# Altium PCB STM32MP25XXAK_2_DDR3L.PcbDoc (part 4 of 6) (continued)
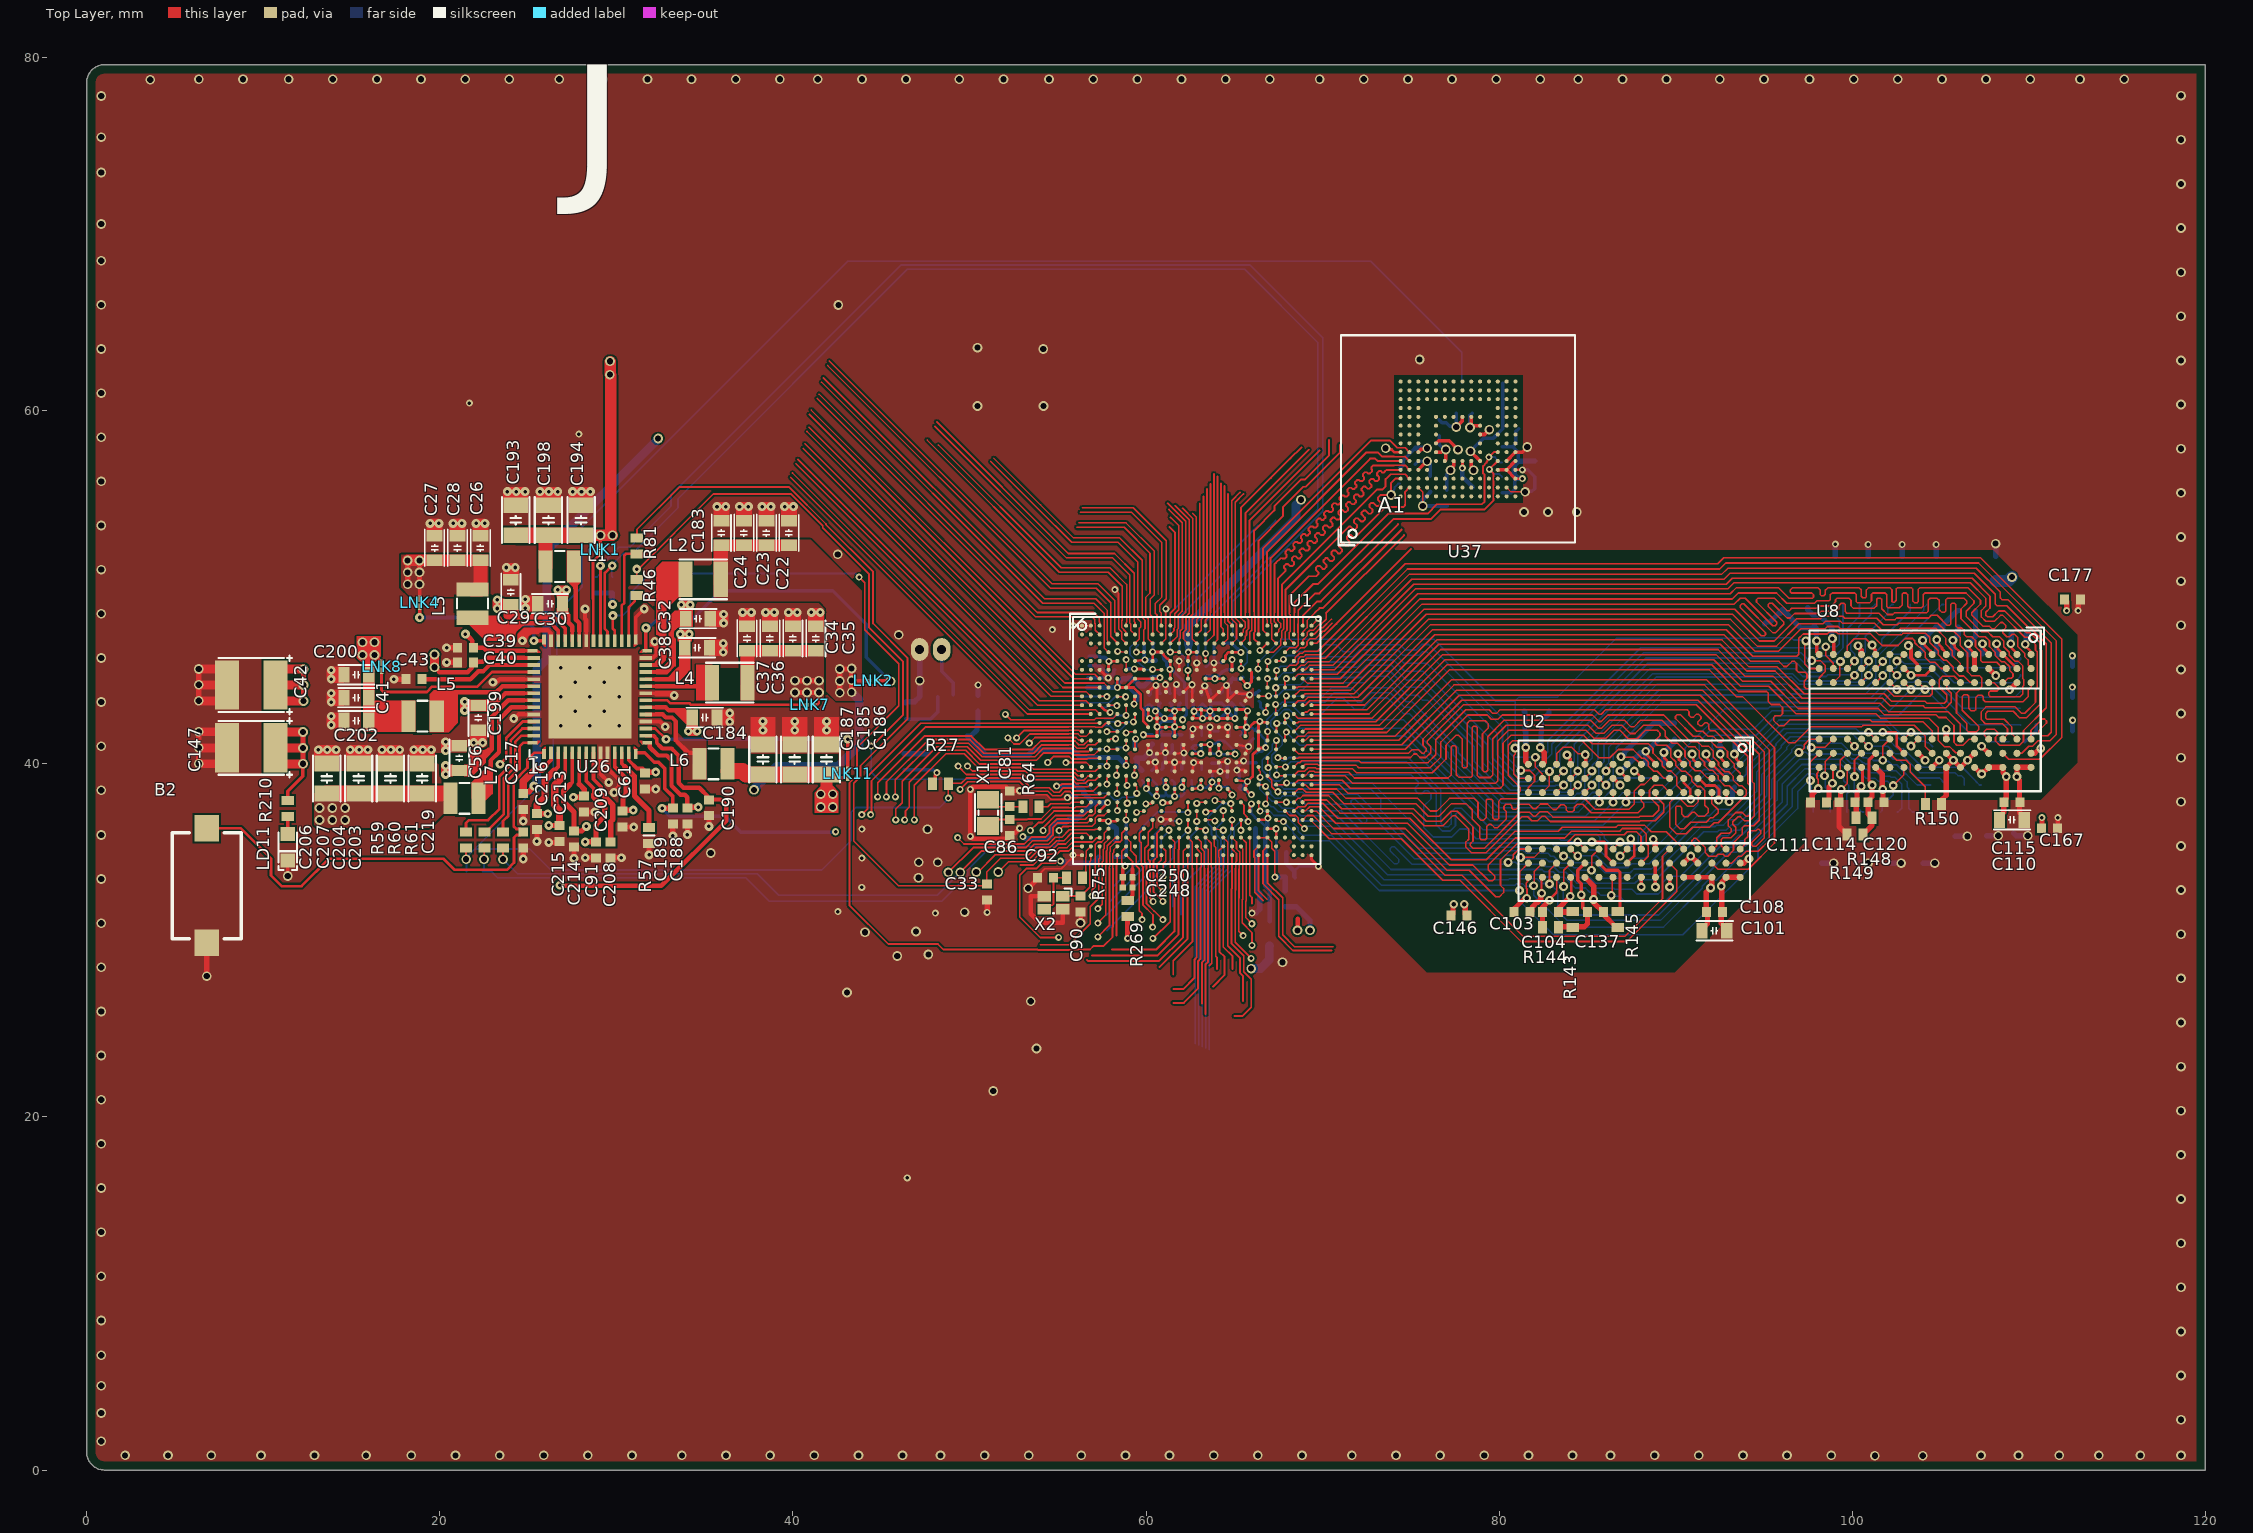
[diagram p0: Top Layer view]
## Nets (pads, with @x,y where several pads share a name; then routed paths per layer and width w, separated by ;. In a path a pad name is that pad's centre, name@x,y a point inside that pad or via, vN(x,y) a via of type N, cw(c..) or ccw(c..) an arc to the next point about the centre after c; other vN are vias at no path point) (continued)
  other v1: 101.286,0.805 104,0.805 2.175,0.83 4.6,0.83 7.05,0.83 9.875,0.83 12.9,0.83 15.825,0.83 18.386,0.83 20.886,0.83 23.386,0.83 25.886,0.83 28.386,0.83 30.886,0.83 33.711,0.83 36.211,0.83 38.711,0.83 41.211,0.83 43.711,0.83 46.211,0.83 48.361,0.83 50.861,0.83 53.361,0.83 56.336,0.83 58.836,0.83 61.336,0.83 63.836,0.83 66.336,0.83 68.836,0.83 71.661,0.83 74.161,0.83 76.661,0.83 79.161,0.83 81.661,0.83 84.161,0.83 86.311,0.83 88.811,0.83 91.311,0.83 93.811,0.83 96.311,0.83 98.811,0.83 107.3,0.83 109.425,0.83 111.725,0.83 113.975,0.83 116.325,0.83 118.625,0.83 0.825,1.625 118.625,2.85 0.825,3.225 0.825,4.775 118.625,5.35 0.825,6.5 118.625,7.85 0.825,8.475 118.625,10.35 0.825,10.975 118.625,12.85 0.825,13.475 118.625,15.35 0.825,15.975 118.625,17.85 0.825,18.475 118.625,20.35 0.825,20.975 51.35,21.475 118.625,22.85 0.825,23.475 53.8,23.875 118.625,25.35 0.825,25.975 53.467,26.55 43.063,27.05 118.625,27.85 0.825,28.475 67.73,28.759 45.909,29.117 47.672,29.202 118.625,30.35 44.087,30.462 46.975,30.5 0.825,30.975 49.725,31.6 118.625,32.85 0.825,33.475 47.112,33.546 11.387,33.648 47.125,34.425 48.2,34.42 35.35,34.945 118.625,35.35 0.825,35.975 47.625,36.3 118.625,37.85 0.825,38.5 6.348,40.014 118.625,40.35 6.348,40.914 0.825,41 6.348,41.814 118.625,42.85 0.825,43.5 6.348,43.576 6.348,44.476 47.189,44.713 118.625,45.35 6.348,45.376 0.825,46 45.995,47.305 118.625,47.85 0.825,48.5 118.625,50.35 0.825,51 42.535,51.865 118.625,52.85 0.825,53.5 81.406,54.265 82.774,54.265 84.406,54.265 118.625,55.35 0.825,56 118.625,57.85 0.825,58.5 50.45,60.275 54.195,60.275 118.625,60.35 0.825,61 118.625,62.85 0.825,63.5 54.175,63.5 50.45,63.575 118.625,65.35 0.825,66 42.575,65.995 118.625,67.85 0.825,68.5 118.625,70.35 0.825,70.575 118.625,72.85 0.825,73.5 118.625,75.35 0.825,75.5 0.825,77.825 118.625,77.85 3.6,78.75 6.35,78.775 8.85,78.775 11.436,78.775 13.936,78.775 16.436,78.775 18.936,78.775 21.436,78.775 23.936,78.775 26.761,78.775 29.261,78.775 31.761,78.775 34.261,78.775 36.761,78.775 39.261,78.775 41.411,78.775 43.911,78.775 46.411,78.775 49.425,78.775 51.925,78.775 54.511,78.775 57.011,78.775 59.511,78.775 62.011,78.775 64.511,78.775 67.011,78.775 69.836,78.775 72.336,78.775 74.836,78.775 77.336,78.775 79.836,78.775 82.336,78.775 84.486,78.775 86.986,78.775 89.486,78.775 92.5,78.775 95,78.775 97.586,78.775 100.086,78.775 102.586,78.775 105.086,78.775 107.586,78.775 110.086,78.775 112.911,78.775 115.411,78.775
  other v2: 46.475,16.55 48.075,31.55 42.551,31.633 43.9,33 43.902,34.655 43.902,36.305 65.87,43.91 64.55,44.448 61.1,44.49 62.606,44.48 54.694,47.6 27.875,58.675 21.675,60.437
  other v3: 24.722,34.61 27.6,34.64 24.725,36.76 20.325,40.75 13.124,40.798 13.625,40.798 14.126,40.798 14.924,40.798 15.425,40.798 15.926,40.798 16.724,40.798 17.225,40.798 17.726,40.798 18.524,40.798 19.025,40.798 19.526,40.798 21.924,41.202 22.425,41.202 20.325,41.25 38.304,41.9 40.104,41.9 41.904,41.9 26.85,42.15 28.5,42.15 30.15,42.15 13.85,42.2 36.42,42.375 38.304,42.401 40.104,42.401 41.904,42.401 13.85,42.7 36.42,42.875 27.675,42.975 29.325,42.975 13.85,43.5 26.85,43.8 28.5,43.8 30.15,43.8 33.28,43.875 13.85,44 27.675,44.625 29.325,44.625 13.85,44.8 13.85,45.3 26.85,45.45 28.5,45.45 30.15,45.45 36.05,46.325 36.05,46.825 36.075,47.975 36.075,48.475 37.15,48.575 37.65,48.575 38.45,48.575 38.95,48.575 39.75,48.575 40.25,48.575 41.05,48.575 41.55,48.575 24.85,48.823 24.85,49.323 23.775,51.123 24.276,51.123 19.45,53.623 19.951,53.623 20.75,53.623 21.251,53.623 22.05,53.623 22.551,53.623 35.7,54.575 36.2,54.575 36.975,54.575 37.475,54.575 38.25,54.575 38.75,54.575 39.525,54.575 40.025,54.575 23.824,55.425 24.325,55.425 24.826,55.425 25.674,55.425 26.175,55.425 26.676,55.425 27.524,55.425 28.025,55.425 28.526,55.425
  other v4: 88.857,33.025 89.657,33.025 92.582,33.075 90.857,37.995 99.382,38.55 101.732,38.55 104.132,40.2 106.532,40.2 90.133,40.575 107.332,41 108.982,46.8
HSE_IN: C90.2 U1.AG2 X2.1 | length 3.6
  Top Layer w0.1: X2.1@55.284,32.51 56.318,32.51 56.814,33.005 56.814,34.464 56.875,34.525 U1.AG2@56.875,34.825
HSE_OUT: R75.2 U1.AF2 | length 2
  Top Layer w0.09: 56.59,34.075 56.59,34.686 56.625,34.721 56.625,35.075 U1.AF2@56.875,35.325
  Top Layer w0.1: R75.2@56.409,33.546 56.59,33.727 56.59,34.075
I2C7.SCL: R261.1 U1.E15 U26.33 | length 74.8
  Top Layer w0.1: U1.E15@63.375,45.825 v2(63.375,46.25)
  Top Layer w0.15: U26.33@29.5,46.97 29.5,47.5 29.35,47.65 29.35,50.812 v3(29.763,51.225)
  Bottom Layer w0.1: R261.1@29.785,50.583 29.743,50.626 29.743,51.265 30.406,51.929 30.917,51.929 33.493,54.505 33.493,55.016 46.487,68.01 65.588,68.01 69.733,63.865 69.733,54.412 63.375,48.054 v2(63.375,46.25)
I2C7.SDA: R260.1 U1.E19 U26.34 | length 76.8
  Top Layer w0.125: U1.E19@65.375,45.825 65.375,45.44 v2@65.39,45.425
  Top Layer w0.15: U26.34@29.1,46.97 v3(29.1,51.225)
  Bottom Layer w0.1: R260.1@28.81,50.583 28.9,50.583 29.08,50.763 v3@29.08,51.228 ; v3@29.093,51.228 30.141,52.275 30.771,52.275 33.099,54.603 33.099,55.234 46.115,68.25 65.899,68.25 70.009,64.14 70.009,54.304 64.91,49.206 64.91,47.299 65.74,46.469 65.74,45.76 v2(65.39,45.41)
MP257_WAKEUP: U1.AF5 U26.32 | length 59.2
  Top Layer w0.09: 58.125,34.075 58.125,34.929 58.165,34.969 58.165,35.115 U1.AF5@58.375,35.325
  Top Layer w0.1: v2(43.751,50.58) 44.063,50.269 44.063,47.604 45.995,45.672 45.995,43.285 43.631,40.921 43.631,39.348 43.2,38.916 43.2,31.993 45.395,29.797 48.212,29.797 48.525,29.485 53.864,29.485 53.889,29.46 55.786,29.46 55.811,29.485 56.828,29.485 57.032,29.69 57.602,29.69 58.106,30.195 58.106,30.747 58.125,30.765 58.125,34.075
  Top Layer w0.15: v3(29.8,48.4) 29.8,47.653 29.9,47.553 U26.32@29.9,46.97
  Bottom Layer w0.1: v3@29.78,48.403 30.361,48.403 30.78,48.823 30.78,49.661 31.898,50.778 43.543,50.778 43.74,50.58 v2(43.751,50.58)
NetB2_2: B2.2 C219.2 U26.1 | length 28.3
  Top Layer w0.15: B2.2@6.795,36.354 8.721,36.354 10.438,34.637 10.438,33.673 11.036,33.075 12.162,33.075 13.713,34.625 20.219,34.625 20.845,33.999 23.799,33.999 24.2,34.4 24.2,35.825 24.347,35.972 24.554,35.972 C219.2@24.727,36.145 24.562,36.31 24.338,36.31 24.187,36.46 24.187,39.008 24.962,39.783 24.962,40.237 25.355,40.63 U26.1@25.9,40.63
NetC43_2: C43.2 U26.45 | length 6.7
  Top Layer w0.21: 24.775,45.6 U26.45@25.33,45.6
  Top Layer w0.25: C43.2@19.015,44.79 21.731,44.79 22.176,45.235 22.451,45.235 22.816,45.6 24.775,45.6
NetC81_1: C81.1 R64.2 X1.1 | length 2.1
  Top Layer w0.1: X1.1@51.059,37.975 51.459,37.575 C81.1@52.285,37.575 R64.2@53.035,37.575
NetC88_2: C88.2 D6.2 R66.2 | length 2.9
  Bottom Layer w0.2: C88.2@46.382,42.565 46.424,42.523 D6.2@47.673,42.523 47.792,42.523 48.192,42.923 R66.2@48.192,43.796
NetC92_1: C92.1 R75.1 X2.3 | length 2.9
  Top Layer w0.1: X2.3@54.234,31.76 54.461,31.987 54.694,31.987 54.759,32.052 C92.1@54.759,33.546 R75.1@55.509,33.546
NetC120_2: C120.2 R148.1 R149.2 U8.M8 | length 5.2
  Top Layer w0.175: v4@101.118,38.785 v4(101.132,38.8) 101.132,38.883 100.944,39.071 100.944,40.213 U8.M8@101.333,40.602
  Top Layer w0.3: R149.2@100.608,36 101.124,36.516 R148.1@101.124,36.946 100.908,37.162 C120.2@100.908,37.825 ; C120.2@100.883,37.902 101.118,38.137 v4@101.118,38.785
NetC121_2: C121.2 R146.1 R147.2 U8.H1 | length 4.6
  Top Layer w0.15: v4(103.992,46.992) 103.992,46.897 104.104,46.785 104.104,46.733 104.434,46.403 104.434,46.365 104.532,46.267 U8.H1@104.532,46.2
  Bottom Layer w0.3: C121.2@103.883,46.36 103.992,46.469 v4(103.992,46.992) 104.735,47.735 R146.1@105.108,47.735 ; R146.1@105.132,47.735 R146.1@105.108,47.735 ; R147.2@106.082,48.685 105.955,48.685 105.108,47.838 R146.1@105.108,47.735
NetC130_2: C130.2 C148.2 U37.C2 | length 3.5
  Top Layer w0.09: U37.C2@75.425,55.655 75.675,55.405 v1(75.675,54.605)
  Bottom Layer w0.25: C148.2@76.11,55.405 75.675,54.97 v1(75.675,54.605) C130.2@77.027,54.605
NetC137_2: C137.2 R143.1 R144.2 U2.M8 | length 5.6
  Top Layer w0.2: R144.2@83.358,30.75 R144.2@83.379,30.771 ; U2.M8@84.857,34.375 84.457,33.975 84.457,33.409 84.657,33.209 v4(84.657,32.575) 84.752,32.48 84.752,31.855 C137.2@85.007,31.6
  Top Layer w0.3: R144.2@83.379,30.771 84.183,30.771 84.835,30.771 85.007,30.943 C137.2@85.007,31.6
NetC138_2: C138.2 R141.1 R142.2 U2.H1 | length 5.2
  Top Layer w0.1: v4@86.907,40.375 87.607,40.375 87.957,40.025 U2.H1@88.058,40.025
  Bottom Layer w0.3: v4@86.907,40.373 87.102,40.568 87.102,40.668 C138.2@87.632,41.198 ; C138.2@87.658,41.2 88.758,42.3 R141.1@89.933,42.3
  other v4: 86.907,40.4
NetC151_2: C151.2 C252.2 C260.2 R11.2 U1.AB20 U1.AB22 U1.AC21 | length 9
  Top Layer w0.15: U1.AB20@65.875,37.325 65.875,37.607 65.95,37.682 v2@65.95,37.75 ; U1.AC21@66.375,36.825 v2@66.732,36.825
  Top Layer w0.16: U1.AB22@66.875,37.325 66.875,36.95 v2(66.9,36.925)
  Bottom Layer w0.15: v2(65.969,37.735) 65.95,37.716 65.95,37.205 66.167,36.988 66.167,36.95 66.367,36.75 66.466,36.75 66.821,36.395
  Bottom Layer w0.25: v2(66.9,36.925) 66.875,36.9 66.875,36.449 66.75,36.324 66.75,35.714 66.75,33.083 67,32.833 R11.2@67,31.075
NetC208_1: C208.1 U26.8 | length 5.4
  Top Layer w0.21: U26.8@28.7,40.63 28.7,39.134 29.125,38.709 29.125,38.345 29.298,38.172
  Top Layer w0.3: 29.298,38.172 29.8,37.67 29.8,36.843 29.675,36.718 C208.1@29.675,35.705
NetC225_2: C225.2 U1.R7 | length 1.1
  Top Layer w0.1: U1.R7@59.375,40.825 v2@59.375,41.41
  Bottom Layer w0.1: C225.2@59.375,40.95 C225.2@59.425,40.9
  Bottom Layer w0.3: C225.2@59.375,40.95 v2@59.375,41.41
  other v2: 59.41,41.41
NetC235_2: C235.2 C244.2 R267.1 U1.AB6 | length 3.2
  Top Layer w0.09: v2(58.875,36.825) U1.AB6@58.875,37.325
  Bottom Layer w0.2: R267.1@58.223,34.723 58.734,34.723 58.875,34.864 C235.2@58.875,35.625 C244.2@58.875,36.331 v2(58.875,36.825)
NetC251_2: C251.2 R286.2 U1.AE21 U1.AE22 | length 4.3
  Top Layer w0.09: U1.AE21@66.375,35.825 U1.AE22@66.875,35.825 ; U1.AE22@66.902,35.798 67.125,35.575 67.125,35.221 67.295,35.052 67.295,33.593 v2(67.3,33.588)
  Top Layer w0.1: U1.AE22@66.875,35.825 U1.AE22@66.902,35.798
  Bottom Layer w0.3: v2(67.3,33.588) C251.2@67.89,33.588 R286.2@67.89,32.815
NetCN12_1: CN12.1 R66.1 | length 3.2
  Bottom Layer w0.2: CN12.1@48.425,46.801 48.425,45.241 49.083,44.583 R66.1@49.083,43.917
NetD6_1: D6.1 R67.1 | length 1.4
  Bottom Layer w0.3: R67.1@46.3,40.575 47.625,40.575 D6.1@47.673,40.623
NetD7_1: D7.1 R248.1 U37.K5 | length 5.7
  Top Layer w0.2: v1(78.375,57.705) U37.K5@78.925,57.155
  Bottom Layer w0.2: v1(78.375,57.705) 79.125,58.455 79.682,58.455 R248.1@80.207,58.98 80.207,61.55 D7.1@80.195,61.563
NetL1_1: L1.1 U26.37 | length 4.2
  Top Layer w0.21: U26.37@27.9,46.97 27.9,47.525
  Top Layer w0.25: L1.1@27.7,51.135 27.7,48.173 27.9,47.973 27.9,47.525
NetL2_1: L2.1 U26.26 | length 6
  Top Layer w0.09: 32.725,48.56 32.725,49.26 33.433,49.968 33.56,49.968 33.915,50.323 L2.1@33.915,50.45
  Top Layer w0.2: U26.26@31.917,45.6 32.4,45.6 32.725,45.925 32.725,48.56
NetL3_1: L3.1 U26.40 | length 5.9
  Top Layer w0.15: L3.1@21.698,48.162 L3.1@21.85,48.01
  Top Layer w0.21: L3.1@21.85,48.275 22.135,47.99 23.91,47.99 26.265,47.99 26.7,47.555 U26.40@26.7,46.97
NetL4_1: L4.1 U26.23 | length 3.8
  Top Layer w0.15: L4.1@35.36,43.885 L4.1@35.36,44.4
  Top Layer w0.21: U26.23@31.67,44.4 32.225,44.4
  Top Layer w0.25: 32.225,44.4 35,44.4
NetL5_1: L5.1 U26.48 | length 7.2
  Top Layer w0.15: L5.1@19.618,42.448 L5.1@19.87,42.7 ; L5.1@20.09,42.585 L5.1@20.09,43.1
  Top Layer w0.21: 24.775,44.4 U26.48@25.33,44.4
  Top Layer w0.25: 19.825,43.6 20.275,44.05 23.2,44.05 23.55,44.4 24.775,44.4 ; L5.1@20.09,43.1 20.09,43.615
NetL6_1: L6.1 U26.19 | length 4.9
  Top Layer w0.21: U26.19@31.67,42.8 32.225,42.8
  Top Layer w0.25: 32.225,42.8 32.623,42.8 32.798,42.625 33.15,42.625 33.375,42.4 33.375,41.325 34.071,40.629 34.425,40.629 34.43,40.624 L6.1@34.43,40.025
NetL7_1: L7.1 U26.51 | length 7.4
  Top Layer w0.21: 24.775,43.2 U26.51@25.33,43.2
  Top Layer w0.25: L7.1@22.425,38.425 L7.1@22.425,38.669 ; L7.1@22.475,37.95 22.875,38.35 22.875,40.184 23.35,40.659 23.35,42.503 24.047,43.2 24.775,43.2
NetLD11_1: LD11.1 R210.2 | length 1
  Top Layer w0.2: LD11.1@11.386,36.022 R210.2@11.386,37.015
NetR1_2: R1.2 U1.K22 | length 1.2
  Top Layer w0.1: v2(66.78,42.92) 66.794,42.934 66.794,43.208 66.875,43.29 U1.K22@66.875,43.325
  Bottom Layer w0.15: R1.2@66.4,43.55 66.487,43.463 66.487,43.213 v2(66.78,42.92)
NetR46_2: R46.2 U26.30 | length 2.8
  Top Layer w0.15: U26.30@30.7,46.97 30.7,48.87 31.032,49.202 31.032,49.43 R46.2@31.15,49.548
NetR57_2: R57.2 U26.12 | length 4.9
  Top Layer w0.21: U26.12@30.3,40.63 30.3,40.016 30.47,39.845
  Top Layer w0.3: 30.47,39.845 31.025,39.291 31.025,38.174 31.85,37.349 R57.2@31.85,36.4
NetR59_2: R59.2 U26.54 | length 8.5
  Top Layer w0.15: R59.2@21.48,36.145 21.48,36.64 21.65,36.81 22.736,36.81 23.375,37.449 23.375,39.298 24.012,39.935 24.012,41.335 24.677,42 U26.54@25.33,42
NetR60_2: R60.2 U26.55 | length 7.1
  Top Layer w0.15: R60.2@22.53,36.145 22.604,36.145 23.625,37.166 23.625,39.194 24.262,39.832 24.262,41.232 24.631,41.6 U26.55@25.33,41.6
NetR61_2: R61.2 U26.56 | length 6.1
  Top Layer w0.15: R61.2@23.58,36.145 23.58,36.76 23.875,37.055 23.875,39.091 24.512,39.728 24.512,40.985 24.727,41.2 U26.56@25.255,41.2
NetR81_2: R81.2 U26.31 | length 5.7
  Top Layer w0.15: U26.31@30.3,46.97 30.3,48.973 30.45,49.123 30.45,51.81 30.538,51.898 R81.2@31.163,51.898
NetR145_2: R145.2 U2.L8 | length 3.8
  Top Layer w0.18: U2.L8@85.658,34.377 86.058,33.977 86.73,33.977 86.85,33.857 R145.2@86.85,31.5
NetR150_2: R150.2 U8.L8 | length 3.9
  Top Layer w0.09: U8.L8@102.132,40.6 102.532,40.2 103.057,40.2 103.282,39.975 103.282,39.55 104.132,38.7 R150.2@104.132,37.825
NetTP21_1: TP21.1 U37.H5 | length 1.7
  Top Layer w0.15: v2(77.925,56.755) U37.H5@77.925,57.155
  Bottom Layer w0.25: v2(77.925,56.755) 77.925,56.256 TP21.1@78.516,55.665
NRST: C33.2 R81.1 U1.AE1 | length 49.7
  Top Layer w0.09: 55.444,35.457 55.812,35.825 U1.AE1@56.375,35.825
  Top Layer w0.1: R81.1@31.163,52.798 31.163,53.273 33.565,55.675 39.786,55.675 41.873,53.588 41.873,53.551 44.541,50.883 44.541,47.949 46.497,45.992 46.497,42.556 43.821,39.879 43.821,39.269 43.443,38.89 43.443,35.633 45.978,33.097 50.897,33.097 C33.2@51,33.2 50.975,33.225 50.975,33.875 51.758,34.658 53.449,34.658 53.863,35.073 54.632,35.073 55.016,35.457 55.444,35.457
NRSTC1MS: D7.2 R27.1 R59.1 R272.1 U1.W3 | length 123.2
  Top Layer w0.09: 56.11,38.46 57.01,38.46 U1.W3@57.375,38.825
  Top Layer w0.1: R59.1@21.48,35.245 21.475,35.24 21.475,34.625 v1@21.49,34.61 ; v2(48.805,38.061) R27.1@48.805,38.872 48.805,38.904 49.542,38.904 49.831,39.194 49.936,39.194 49.938,39.192 50.559,39.192 50.561,39.194 52.93,39.194 53.474,38.65 54.531,38.65 54.787,38.394 55.077,38.394 55.319,38.635 55.764,38.635 55.939,38.46 56.11,38.46
  Bottom Layer w0.1: R272.1@21.505,33.882 21.505,34.595 21.49,34.61 21.49,34.694 21.972,35.176 ; v2(48.805,38.061) 48.805,38.016 48.314,37.526 43.556,37.526 43.288,37.258 43.288,35.651 41.626,33.989 26.279,33.989 25.092,35.176 21.972,35.176 ; D7.2@77.88,61.563 77.88,63.32 72.735,68.465 43.114,68.465 28.049,53.4 28.049,50.003 26.618,48.572 26.618,45.92 26.431,45.733 26.431,39.267 25.501,38.337 25.133,38.337 21.972,35.176
  other v1: 21.49,34.6
OSC32_IN: C86.1 U1.AA2 X1.2 | length 6.4
  Top Layer w0.09: 55.625,37.525 56,37.525 56.05,37.575 56.625,37.575 U1.AA2@56.875,37.825
  Top Layer w0.1: X1.2@51.059,36.475 51.434,36.85 53.271,36.85 53.296,36.875 54.052,36.875 54.702,37.525 55.625,37.525
OSC32_OUT: R64.1 U1.AA1 | length 2.5
  Top Layer w0.09: 56.05,37.825 U1.AA1@56.375,37.825
  Top Layer w0.1: R64.1@53.935,37.575 54.436,37.575 54.597,37.735 55.695,37.735 55.784,37.825 56.05,37.825
PMIC_WAKEUPn: R46.1 U1.W7 | length 46.6
  Top Layer w0.09: U1.W7@59.375,38.825 59.375,38.802 59.475,38.702 v2(59.475,38.325)
  Top Layer w0.1: R46.1@31.15,50.448 31.15,50.942 35.501,55.293 39.879,55.293 41.683,53.488 41.683,53.37 44.316,50.738 44.316,47.708 46.24,45.785 46.24,42.779 44.461,41 v2(44.43,41)
  Bottom Layer w0.09: v2(44.43,41) 44.43,39.527 44.833,39.123 56.341,39.123 57.139,38.325 57.851,38.325 58.206,37.97 58.492,37.97 58.637,38.115 59.265,38.115 v2(59.475,38.325)
  other v3: 31.15,51.033
PWR_CPU_ON: R60.1 R272.2 U1.AB4 | length 40.2
  Top Layer w0.09: 55.627,36.457 56.927,36.457 57.125,36.655 57.125,36.929 57.271,37.075 57.625,37.075 U1.AB4@57.875,37.325
  Top Layer w0.095: 55.57,36.455 55.625,36.455
  Top Layer w0.1: v1(22.5,34.6) 22.514,34.614 22.514,35.229 R60.1@22.53,35.245 ; v2(55.077,36.225) 55.307,36.455 55.57,36.455
  Bottom Layer w0.1: R272.2@22.405,33.882 22.936,33.882 23.265,33.553 37.33,33.553 38.666,32.217 48.438,32.217 49.9,33.679 49.9,34.006 51.228,35.335 54.815,35.335 55.083,35.603 v2@55.083,36.219 ; R272.2@22.471,34.068 22.5,34.097 v1(22.5,34.6)
PWR_ON: R61.1 U1.AD3 | length 36.9
  Top Layer w0.09: 56.084,36.26 57.09,36.26 57.128,36.298 57.348,36.298 U1.AD3@57.375,36.325
  Top Layer w0.1: v1(23.575,34.6) 23.58,34.605 R61.1@23.58,35.245 ; v1(49.475,33.855) 50.678,35.058 53.276,35.058 53.671,35.453 54.474,35.453 54.865,35.844 55.241,35.844 55.659,36.262 56.082,36.262
  Bottom Layer w0.1: v1(23.575,34.6) 24.4,33.775 37.982,33.775 39.197,32.561 48.18,32.561 v1(49.475,33.855)
VBAT: C87.2 D6.3 U1.T6 | length 12.2
  Top Layer w0.15: v2@58.875,39.933 U1.T6@58.875,40.325
  Bottom Layer w0.3: C87.2@50.485,42.988 50.485,42.185 50.423,42.123 50.423,41.923 50.073,41.573 D6.3@49.873,41.573 49.973,41.473 50.976,40.471 53.326,40.471 53.642,40.788 55.87,40.788 56.299,40.358 58.427,40.358 v2@58.864,39.921 ; v2@58.831,39.889 v2@58.864,39.921 ; v2(58.875,39.91) v2@58.864,39.921 ; v2@58.875,39.933 v2@58.864,39.921
VDD3V3_USB: C61.2 R286.1 U26.13 | length 50.7
  Top Layer w0.21: U26.13@30.7,40.63 30.7,40.2 31.163,39.737 31.418,39.737 31.42,39.735 31.49,39.735 31.625,39.6 C61.2@31.625,39.53
  Top Layer w0.3: C61.2@31.625,39.53 v3(32.235,39.53)
  Signal Layer 2 w0.3: 43.518,27.562 67.603,27.562 69.284,29.244 v1(69.284,30.569)
  Signal Layer 2 w0.5: v3(32.235,39.53) 35.12,39.53 37.15,37.5 37.15,33.93 43.518,27.562
  Bottom Layer w0.3: R286.1@67.89,31.915 67.898,31.908 68.514,31.908 69.284,31.138 v1(69.284,30.569)
VDD_DDR: C39.2 C41.2 C75.2 C76.2 C77.1 C82.2 C83.2 C100.2 C101.2 C102.2 C103.2 C104.2 C105.2 C106.2 C107.2 C108.2 C109.2 C110.2 C111.2 C112.2 C113.2 C114.2 C115.2 C116.2 C119.2 C146.2 C167.2 C177.2 C200.2 C202.2 L5.2 LNK8.2 R141.2 R143.2 R146.2 R148.2 U1.1C11 U1.1D12 U1.1E11 U1.1F12 U1.1L11 U1.1M12 U1.M22 U1.N21 U1.R21 U2.A1 U2.A8 U2.B2 U2.C1 U2.C9 U2.D2 U2.D9 U2.E9 U2.F1 U2.G7 U2.H2 U2.H9 U2.K2 U2.K8 U2.N1 U2.N9 U2.R1 U2.R9 U8.A1 U8.A8 U8.B2 U8.C1 U8.C9 U8.D2 U8.D9 U8.E9 U8.F1 U8.G7 U8.H2 U8.H9 U8.K2 U8.K8 U8.N1 U8.N9 U8.R1 U8.R9 U26.43 | length 84.4
  Top Layer w0.1: v4(82.407,32.675) 82.407,33.525 U2.R9@82.457,33.575 ; v4@98.908,38.9 U8.R9@98.908,39.777
  Top Layer w0.125: U2.C1@92.057,39.977 U2.B2@92.858,39.177
  Top Layer w0.15: v1(16.298,46.165) 16.7,45.763 LNK8.2@16.7,45.723 ; U1.1L11@65.125,39.075 v2(65.75,39) U1.1M12@65.625,38.575 65.625,38.565 65.9,38.29 v2@65.9,38.26 ; U1.1E11@65.125,42.075 v2@65.625,42.075 ; U1.1C11@65.125,43.075 65.675,43.075 v2(65.75,43) ; U1.1F12@65.625,41.575 v2@65.625,42.075 ; v2@65.675,42.99 65.675,42.646 65.625,42.597 U1.1D12@65.625,42.575 v2@65.625,42.075 ; v2@66.375,42.274 66.458,42.357 66.137,42.357 65.89,42.111 65.661,42.111 v2@65.625,42.075 ; C146.2@77.282,31.4 77.387,31.505 77.462,31.58 77.462,31.98 v4@77.482,32 ; v4@84.091,32.558 U2.N9@84.091,33.541 ; v4(85.257,35.575) 85.971,35.575 86.059,35.487 86.059,34.773 U2.K8@86.457,34.375 ; v4@87.657,39.625 88.058,39.224 U2.H2@88.058,39.177 ; v4@89.328,40.725 89.333,40.725 89.358,40.7 89.358,40.328 89.657,40.029 U2.F1@89.657,39.975 ; U2.D2@91.258,39.177 91.311,39.177 91.711,38.777 92.218,38.777 92.457,38.538 v4@92.457,38.025 ; v4(91.729,40.55) 91.796,40.483 91.796,40.377 91.799,40.374 91.799,40.287 92.057,40.029 92.057,39.977 U2.C1@92.057,39.975 ; v4(93.332,40.55) 93.332,40.455 93.449,40.338 93.449,40.253 93.582,40.119 93.582,40.117 93.657,40.042 U2.A1@93.657,39.975 ; v4(100.507,38.725) 100.507,38.819 100.582,38.894 U8.N9@100.582,39.75 ; v4@101.732,41.8 102.442,41.8 102.53,41.712 102.53,41.002 U8.K8@102.932,40.6 ; v4@103.332,45.05 103.357,45.025 104.156,45.025 U8.H2@104.533,45.402 ; v4(105.704,47.005) 105.711,46.801 105.808,46.704 105.808,46.628 106.107,46.328 U8.F1@106.107,46.2 ; v4@108.182,46.775 108.249,46.708 108.249,46.512 108.507,46.254 U8.C1@108.507,46.202 ; C110.2@108.333,37.002 108.582,37.251 108.583,37.252 C115.2@108.583,37.927 ; C110.2@108.334,36.857 C110.2@108.334,36.981 ; U8.C1@108.469,46.241 U8.C1@108.507,46.202 ; U8.C1@108.507,46.2 U8.C1@108.507,46.202 ; U8.C1@108.532,46.2 U8.B2@109.332,45.4 ; v4@109.793,46.75 109.793,46.685 110.093,46.385 110.093,46.238 U8.A1@110.132,46.2
  Top Layer w0.16: v2(65.75,39) 66.042,39.292 66.042,40.512 U1.R21@66.32,40.79 ; U1.R21@66.321,40.79 66.363,40.832 66.363,41.813 U1.N21@66.375,41.825 v2@66.375,42.274 ; U1.R21@66.375,40.825 66.394,40.825 66.471,40.902 66.757,40.902 v2@66.78,40.925 ; v2@66.458,42.357 66.843,42.357 U1.M22@66.875,42.325
  Top Layer w0.2: v4(83.849,40.5) 83.849,40.468 84.02,40.297 84.02,40.015 U2.N1@84.058,39.977 ; U2.K2@86.483,39.177 86.835,38.825 v4@86.857,38.825 ; U2.H9@88.02,33.538 88.024,33.538 88.057,33.505 v4@88.057,33.05 ; v4(98.882,47.094) 98.95,46.818 98.95,46.217 U8.R1@98.932,46.2 ; U8.K2@102.958,45.402 103.31,45.05 v4@103.332,45.05
  Top Layer w0.21: 24.775,46.4 U26.43@25.325,46.4
  Top Layer w0.25: 21.695,47.125 21.699,47.125 21.845,46.979 21.845,46.685 C39.2@21.955,46.575 ; C39.2@22.005,46.575 22.475,46.575 22.65,46.4 24.775,46.4
  Top Layer w0.275: U2.E9@90.457,33.575 U2.D9@91.257,33.575 91.259,33.577 91.825,33.577 ; 91.825,33.575 U2.C9@92.057,33.575 ; U8.H9@104.533,39.802 v4(104.933,40.202) ; U8.E9@106.934,39.811 107.319,39.425 v4(107.332,39.425) ; v4@107.332,39.525 107.359,39.498 107.406,39.498 107.67,39.762 107.674,39.762 107.711,39.8 U8.D9@107.732,39.8
  Top Layer w0.3: v3@21.444,47.376 21.695,47.125 ; C146.2@77.387,31.505 77.387,31.949 77.432,31.994 v4(77.432,32.048) ; C103.2@81.758,31.6 81.863,31.705 81.863,31.854 81.963,31.954 81.963,31.979 82.137,32.153 82.182,32.153 82.358,32.329 82.358,32.571 82.407,32.621 v4(82.407,32.675) ; v4(82.332,40.925) 82.332,40.871 82.557,40.646 82.557,40.088 82.457,39.988 U2.R1@82.457,39.975 ; C104.2@83.576,31.625 R143.2@84.183,31.625 84.158,31.6 C104.2@83.358,31.6 83.358,31.808 v4@84.032,32.482 ; v4@88.732,35.7 88.732,35.646 88.848,35.53 88.848,35.184 U2.G7@88.857,35.175 ; C101.2@91.507,30.65 91.807,30.95 91.807,31.675 C108.2@91.763,31.719 ; C108.2@91.732,31.675 91.732,32.721 91.982,32.971 v4(91.982,32.975) 91.982,33.029 92.048,33.094 92.048,33.565 U2.C9@92.057,33.575 ; U2.A8@93.71,34.375 93.856,34.375 94.131,34.65 v4@94.157,34.65 ; C111.2@98.583,37.902 98.688,38.007 98.688,38.705 v4(98.882,38.9) ; C114.2@100.158,37.825 100.224,37.759 R148.2@100.224,36.946 ; C114.2@100.27,37.989 100.27,38.433 100.507,38.671 v4(100.507,38.725) ; v4(100.333,46.689) 100.333,46.635 100.513,46.454 100.513,46.219 U8.N1@100.532,46.2 ; U8.G7@105.332,41.4 v4(105.333,41.95) ; U8.D9@107.732,39.8 108.532,39.8 108.541,39.79 108.541,39.52 108.732,39.329 v4(108.732,39.275) 108.732,38.076 C115.2@108.687,38.031 ; U8.D2@107.732,45.4 v4(108.132,45) ; C110.2@108.333,37.001 C110.2@108.582,37.25 ; C110.2@108.582,37.251 C115.2@108.582,37.9 ; C115.2@108.584,37.927 C115.2@108.687,38.03 ; U8.A8@110.132,40.6 110.343,40.6 v4@110.653,40.91 ; C167.2@110.733,36.35 110.75,36.368 v2(110.75,36.957) ; C177.2@112.025,49.305 112.15,49.18 v2(112.15,48.68)
  Top Layer w0.64: C202.2@15.975,42.45 C41.2@15.975,43.75 C200.2@15.975,45.05 ; 15.975,45.495 15.975,45.925
  Top Layer w0.8: C202.2@16.2,42.45 L5.2@17.975,42.45
  Bottom Layer w0.15: C83.2@65.35,43.425 v2@65.627,43.148 ; C82.2@65.352,41.603 65.452,41.703 65.452,41.862 v2@65.625,42.035 ; v2@65.625,42.075 65.625,42.143 65.675,42.193 v2@65.675,42.99 ; v2@65.673,42.027 66.023,42.027 66.183,41.867 C75.2@66.218,41.867 ; C75.2@66.205,41.9 66.305,41.8 66.34,41.8 66.78,41.36 v2@66.78,40.925
  Bottom Layer w0.16: C75.2@66.175,41.9 66.27,41.995 66.27,42.018 66.404,42.152 66.404,42.354 v2(66.45,42.4) ; C77.1@66.25,40.6 66.332,40.682 66.537,40.682 v2@66.78,40.925
  Bottom Layer w0.2: v2(65.75,39) 65.476,38.726 65.466,38.726 65.463,38.723 65.349,38.723 C76.2@65.274,38.648 65.349,38.573 65.607,38.573 65.92,38.26 v2(65.97,38.26)
  Bottom Layer w0.3: v4@82.332,40.923 82.369,40.96 82.369,41.76 82.407,41.798 82.407,42.502 82.582,42.678 82.662,42.678 82.832,42.848 C100.2@82.832,42.973 ; C102.2@89.308,40.002 89.308,40.605 89.933,41.23 R141.2@89.933,41.4 ; C105.2@92.432,38.673 92.444,38.66 92.444,38.035 v4@92.457,38.023 ; v4(93.332,40.55) 93.369,40.586 93.369,41.161 C107.2@93.407,41.198 ; C109.2@97.481,48.848 97.481,48.723 97.75,48.454 98.125,48.454 C116.2@98.844,47.735 ; C116.2@98.843,47.734 98.843,47.132 v4(98.882,47.094) ; C113.2@105.683,46.17 105.704,46.191 v4(105.704,47.005) 106.008,47.309 R146.2@106.008,47.735 ; v4(108.182,46.8) 108.182,46.22 C119.2@108.233,46.17 ; v4@108.195,46.787 v4@108.219,46.811 ; v4@109.781,46.748 109.781,46.802 109.851,46.872 109.851,47.318 C112.2@109.956,47.423
  other v1: 15.623,46.165 15.623,46.89 16.298,46.89
  other v2: 66.78,40.921 65.7,42.075
  other v3: 21.45,47.348
  other v4: 84.032,32.5 88.057,33.025 94.157,34.625 88.732,35.725 92.432,37.95 86.857,38.795 87.657,39.595 89.333,40.65 110.677,40.875 101.732,41.795 103.332,45.02 109.807,46.775